# Altium PCB Cubli.PcbDoc (part 1 of 5) (continued)
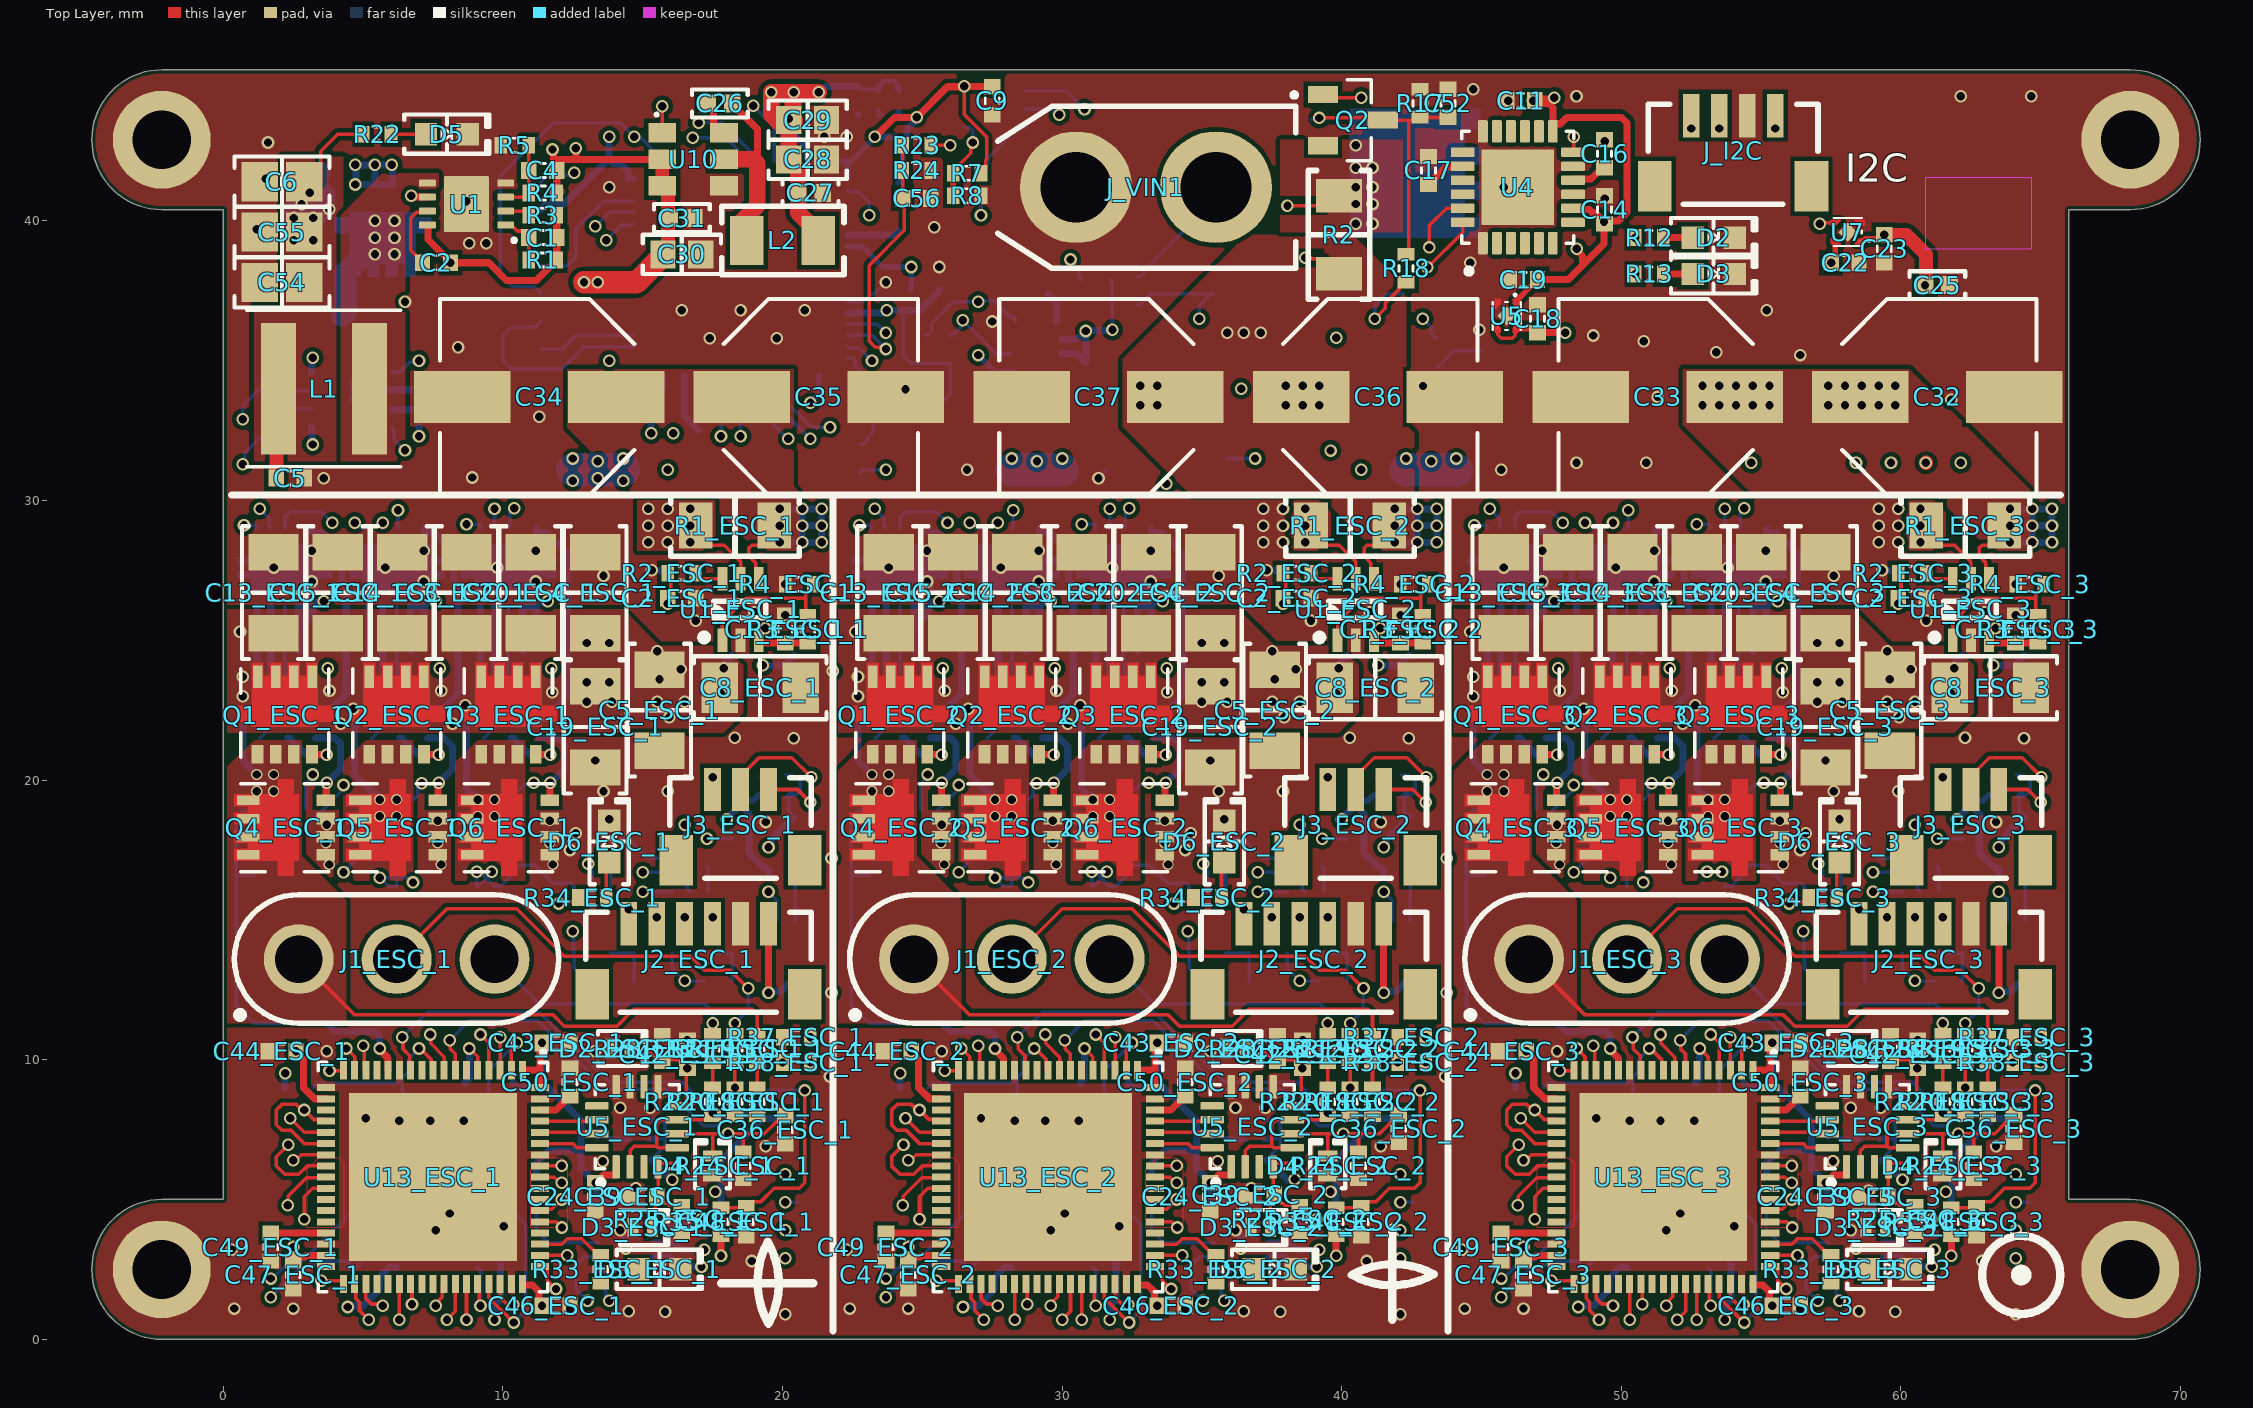
[diagram p0: Top Layer view]
## Components (designator, comment, footprint, x,y, rotation, side; value= is the part's Value field where it differs from the comment) (continued)
C16_ESC_2 "10 µF" "CAP 1206_3216 - 0.8MM" 37.9,21.1 r90 bottom (schematic designator C16_ESC)
C16_ESC_3 "10 µF" "CAP 1206_3216 - 0.8MM" 59.9,21.1 r90 bottom (schematic designator C16_ESC)
C17 "2200pF" CAP_0402 43.1,41.8 r90 top
C17_ESC_1 "10 µF" "CAP 1206_3216 - 0.8MM" 13.6,25.9 r270 bottom (schematic designator C17_ESC)
C17_ESC_2 "10 µF" "CAP 1206_3216 - 0.8MM" 35.6,25.9 r270 bottom (schematic designator C17_ESC)
C17_ESC_3 "10 µF" "CAP 1206_3216 - 0.8MM" 57.6,25.9 r270 bottom (schematic designator C17_ESC)
C18 "0.1uF" CAP_0402 47,36.5 r270 top
C18_ESC_1 "10 µF" "CAP 1206_3216 - 0.8MM" 13.6,21.1 r90 bottom (schematic designator C18_ESC)
C18_ESC_2 "10 µF" "CAP 1206_3216 - 0.8MM" 35.6,21.1 r90 bottom (schematic designator C18_ESC)
C18_ESC_3 "10 µF" "CAP 1206_3216 - 0.8MM" 57.6,21.1 r90 bottom (schematic designator C18_ESC)
C19 "0.1uF" CAP_0402 46.5,37.9 r0 top
C19_ESC_1 "10 µF" "CAP 1206_3216 - 0.8MM" 13.3,21.9 r90 top (schematic designator C19_ESC)
C19_ESC_2 "10 µF" "CAP 1206_3216 - 0.8MM" 35.3,21.9 r90 top (schematic designator C19_ESC)
C19_ESC_3 "10 µF" "CAP 1206_3216 - 0.8MM" 57.3,21.9 r90 top (schematic designator C19_ESC)
C20 "0.1uF" CAP_0402 22.7,44.3 r90 bottom
C20_ESC_1 "10 µF" "CAP 1206_3216 - 0.8MM" 11,26.7 r270 top (schematic designator C20_ESC)
C20_ESC_2 "10 µF" "CAP 1206_3216 - 0.8MM" 33,26.7 r270 top (schematic designator C20_ESC)
C20_ESC_3 "10 µF" "CAP 1206_3216 - 0.8MM" 55,26.7 r270 top (schematic designator C20_ESC)
C21 "0.1uF" CAP_0402 24.9,44.2 r270 bottom
C21_ESC_1 "0.1uF" CAP_0402 19.9,18.7 r0 bottom (schematic designator C21_ESC)
C21_ESC_2 "0.1uF" CAP_0402 41.9,18.7 r0 bottom (schematic designator C21_ESC)
C21_ESC_3 "0.1uF" CAP_0402 63.9,18.7 r0 bottom (schematic designator C21_ESC)
C22 "0.1uF" CAP_0402 58,38.5 r180 top
C22_ESC_1 "0.1uF" CAP_0402 18.5,19.6 r270 bottom (schematic designator C22_ESC)
C22_ESC_2 "0.1uF" CAP_0402 40.5,19.6 r270 bottom (schematic designator C22_ESC)
C22_ESC_3 "0.1uF" CAP_0402 62.5,19.6 r270 bottom (schematic designator C22_ESC)
C23 "0.1uF" CAP_0402 59.4,39 r90 top
C23_ESC_1 "0.1uF" CAP_0402 6.9,9.35 r180 bottom (schematic designator C23_ESC)
C23_ESC_2 "0.1uF" CAP_0402 28.9,9.35 r180 bottom (schematic designator C23_ESC)
C23_ESC_3 "0.1uF" CAP_0402 50.9,9.35 r180 bottom (schematic designator C23_ESC)
C24 "0.1uF" CAP_0402 7,33.6 r90 bottom
C24_ESC_1 "0.1uF" CAP_0402 13.3,5.1 r90 top (schematic designator C24_ESC)
C24_ESC_2 "0.1uF" CAP_0402 35.3,5.1 r90 top (schematic designator C24_ESC)
C24_ESC_3 "0.1uF" CAP_0402 57.3,5.1 r90 top (schematic designator C24_ESC)
C25 "1 µF" "CAP 0402_1005" 61.3,37.7 r0 top
C25_ESC_1 "0.1uF" CAP_0402 1.6,16.6 r180 bottom (schematic designator C25_ESC)
C25_ESC_2 "0.1uF" CAP_0402 23.6,16.6 r180 bottom (schematic designator C25_ESC)
C25_ESC_3 "0.1uF" CAP_0402 45.6,16.6 r180 bottom (schematic designator C25_ESC)
C26 "1 µF" "CAP 0402_1005" 17.76,44.2 r0 top
C26_ESC_1 "0.1uF" CAP_0402 10.038,3.538 r90 bottom (schematic designator C26_ESC)
C26_ESC_2 "0.1uF" CAP_0402 32.037,3.538 r90 bottom (schematic designator C26_ESC)
C26_ESC_3 "0.1uF" CAP_0402 54.037,3.538 r90 bottom (schematic designator C26_ESC)
C27 "1 µF" "CAP 0402_1005" 21,41 r180 top
C27_ESC_1 "0.1uF" CAP_0402 1.3,22 r270 bottom (schematic designator C27_ESC)
C27_ESC_2 "0.1uF" CAP_0402 23.3,22 r270 bottom (schematic designator C27_ESC)
C27_ESC_3 "0.1uF" CAP_0402 45.3,22 r270 bottom (schematic designator C27_ESC)
C28 "22 µF" "CAP 0603_1608" 20.9,42.2 r180 top
C28_ESC_1 "1uF" CAP_0402 3.2,25.4 r0 bottom (schematic designator C28_ESC)
C28_ESC_2 "1uF" CAP_0402 25.2,25.4 r0 bottom (schematic designator C28_ESC)
C28_ESC_3 "1uF" CAP_0402 47.2,25.4 r0 bottom (schematic designator C28_ESC)
C29 "22 µF" "CAP 0603_1608" 20.9,43.6 r180 top
C29_ESC_1 "0.1uF" CAP_0402 3.2,24.6 r0 bottom (schematic designator C29_ESC)
C29_ESC_2 "0.1uF" CAP_0402 25.2,24.6 r0 bottom (schematic designator C29_ESC)
C29_ESC_3 "0.1uF" CAP_0402 47.2,24.6 r0 bottom (schematic designator C29_ESC)
C30 "22 µF" "CAP 0603_1608" 16.4,38.8 r180 top
C30_ESC_1 "10nF" CAP_0402 5.3,22 r270 bottom (schematic designator C30_ESC)
C30_ESC_2 "10nF" CAP_0402 27.3,22 r270 bottom (schematic designator C30_ESC)
C30_ESC_3 "10nF" CAP_0402 49.3,22 r270 bottom (schematic designator C30_ESC)
C31 "0.1 µF" "CAP 0402_1005" 16.4,40.1 r180 top
C31_ESC_1 "1uF" CAP_0402 7.2,24.6 r0 bottom (schematic designator C31_ESC)
C31_ESC_2 "1uF" CAP_0402 29.2,24.6 r0 bottom (schematic designator C31_ESC)
C31_ESC_3 "1uF" CAP_0402 51.2,24.6 r0 bottom (schematic designator C31_ESC)
C32 "UWZ1V101MCL1GS" UWZ1V101MCL1GS 61.3,33.7 r0 top value=100µF
C32_ESC_1 "0.1uF" CAP_0402 7.2,25.4 r0 bottom (schematic designator C32_ESC)
C32_ESC_2 "0.1uF" CAP_0402 29.2,25.4 r0 bottom (schematic designator C32_ESC)
C32_ESC_3 "0.1uF" CAP_0402 51.2,25.4 r0 bottom (schematic designator C32_ESC)
C33 "UWZ1V101MCL1GS" UWZ1V101MCL1GS 51.3,33.7 r180 top value=100µF
C33_ESC_1 "10nF" CAP_0402 9.3,22 r270 bottom (schematic designator C33_ESC)
C33_ESC_2 "10nF" CAP_0402 31.3,22 r270 bottom (schematic designator C33_ESC)
C33_ESC_3 "10nF" CAP_0402 53.3,22 r270 bottom (schematic designator C33_ESC)
C34 "UWZ1V101MCL1GS" UWZ1V101MCL1GS 11.3,33.7 r180 top value=100µF
C34_ESC_1 "1uF" CAP_0402 11.2,24.6 r0 bottom (schematic designator C34_ESC)
C34_ESC_2 "1uF" CAP_0402 33.2,24.6 r0 bottom (schematic designator C34_ESC)
C34_ESC_3 "1uF" CAP_0402 55.2,24.6 r0 bottom (schematic designator C34_ESC)
C35 "UWZ1V101MCL1GS" UWZ1V101MCL1GS 21.3,33.7 r0 top value=100µF
C35_ESC_1 "0.1uF" CAP_0402 11.2,25.4 r0 bottom (schematic designator C35_ESC)
C35_ESC_2 "0.1uF" CAP_0402 33.2,25.4 r0 bottom (schematic designator C35_ESC)
C35_ESC_3 "0.1uF" CAP_0402 55.2,25.4 r0 bottom (schematic designator C35_ESC)
C36 "UWZ1V101MCL1GS" UWZ1V101MCL1GS 41.3,33.7 r0 top value=100µF
C36_ESC_1 "10nF" CAP_0402 20.1,7.5 r90 top (schematic designator C36_ESC)
C36_ESC_2 "10nF" CAP_0402 42.037,7.538 r90 top (schematic designator C36_ESC)
C36_ESC_3 "10nF" CAP_0402 64.037,7.538 r90 top (schematic designator C36_ESC)
C37 "UWZ1V101MCL1GS" UWZ1V101MCL1GS 31.3,33.7 r180 top value=100µF
C37_ESC_1 "0.1uF" CAP_0402 16,12.8 r180 bottom (schematic designator C37_ESC)
C37_ESC_2 "0.1uF" CAP_0402 38,12.8 r180 bottom (schematic designator C37_ESC)
C37_ESC_3 "0.1uF" CAP_0402 60,12.8 r180 bottom (schematic designator C37_ESC)
C38 "0.1uF" CAP_0402 24.8,42.7 r180 bottom
C38_ESC_1 "0.1uF" CAP_0402 12.5,12.8 r180 bottom (schematic designator C38_ESC)
C38_ESC_2 "0.1uF" CAP_0402 34.5,12.8 r180 bottom (schematic designator C38_ESC)
C38_ESC_3 "0.1uF" CAP_0402 56.5,12.8 r180 bottom (schematic designator C38_ESC)
C39 "0.1uF" CAP_0402 22.8,43 r0 bottom
C39_ESC_1 "10nF" CAP_0402 15,5.1 r0 top (schematic designator C39_ESC)
C39_ESC_2 "10nF" CAP_0402 37.088,5.163 r0 top (schematic designator C39_ESC)
C39_ESC_3 "10nF" CAP_0402 59.025,5.1 r0 top (schematic designator C39_ESC)
C40 "0.1uF" CAP_0402 23.7,37.3 r270 bottom
C40_ESC_1 "10nF" CAP_0402 18.2,17.4 r270 bottom (schematic designator C40_ESC)
C40_ESC_2 "10nF" CAP_0402 40.2,17.4 r270 bottom (schematic designator C40_ESC)
C40_ESC_3 "10nF" CAP_0402 62.2,17.4 r270 bottom (schematic designator C40_ESC)
C41 "0.1uF" CAP_0402 13.8,41.7 r90 bottom
C41_ESC_1 "10nF" CAP_0402 15.1,17.8 r0 bottom (schematic designator C41_ESC)
C41_ESC_2 "10nF" CAP_0402 37.1,17.8 r0 bottom (schematic designator C41_ESC)
C41_ESC_3 "10nF" CAP_0402 59.1,17.8 r0 bottom (schematic designator C41_ESC)
C42 "0.1uF" CAP_0402 14.8,33.5 r0 bottom
C42_ESC_1 "10nF" CAP_0402 16.6,10.2 r270 top (schematic designator C42_ESC)
C42_ESC_2 "10nF" CAP_0402 38.6,10.2 r270 top (schematic designator C42_ESC)
C42_ESC_3 "10nF" CAP_0402 60.6,10.2 r270 top (schematic designator C42_ESC)
C43 "0.1uF" CAP_0402 25.1,38.35 r0 bottom
C43_ESC_1 "0.1uF" CAP_0402 11.9,10.6 r180 top (schematic designator C43_ESC)
C43_ESC_2 "0.1uF" CAP_0402 33.9,10.6 r180 top (schematic designator C43_ESC)
C43_ESC_3 "0.1uF" CAP_0402 55.9,10.6 r180 top (schematic designator C43_ESC)
C44 "0.1uF" CAP_0402 16.5,32.5 r0 bottom
C44_ESC_1 "0.1uF" CAP_0402 2.1,10.3 r0 top (schematic designator C44_ESC)
C44_ESC_2 "0.1uF" CAP_0402 24.1,10.3 r0 top (schematic designator C44_ESC)
C44_ESC_3 "0.1uF" CAP_0402 46.1,10.3 r0 top (schematic designator C44_ESC)
C45 "0.1uF" CAP_0402 21,43 r180 bottom
C45_ESC_1 "0.1uF" CAP_0402 3.7,10.8 r90 bottom (schematic designator C45_ESC)
C45_ESC_2 "0.1uF" CAP_0402 25.7,10.8 r90 bottom (schematic designator C45_ESC)
C45_ESC_3 "0.1uF" CAP_0402 47.7,10.8 r90 bottom (schematic designator C45_ESC)
C46 "0.1uF" CAP_0402 21.5,33.5 r180 bottom
C46_ESC_1 "0.1uF" CAP_0402 11.9,1.2 r180 top (schematic designator C46_ESC)
C46_ESC_2 "0.1uF" CAP_0402 33.9,1.2 r180 top (schematic designator C46_ESC)
C46_ESC_3 "0.1uF" CAP_0402 55.9,1.2 r180 top (schematic designator C46_ESC)
C47 "22 µF" "CAP 0805_2012" 27.4,31.1 r0 bottom
C47_ESC_1 "0.1uF" CAP_0402 2.5,2.3 r90 top (schematic designator C47_ESC)
C47_ESC_2 "0.1uF" CAP_0402 24.5,2.3 r90 top (schematic designator C47_ESC)
C47_ESC_3 "0.1uF" CAP_0402 46.5,2.3 r90 top (schematic designator C47_ESC)
C48 "22 µF" "CAP 0805_2012" 11.7,31.1 r0 bottom
C48_ESC_1 "0.1uF" CAP_0402 18.7,4.2 r270 top (schematic designator C48_ESC)
C48_ESC_2 "0.1uF" CAP_0402 40.7,4.2 r270 top (schematic designator C48_ESC)
C48_ESC_3 "0.1uF" CAP_0402 62.7,4.2 r270 top (schematic designator C48_ESC)
C49 "22 µF" "CAP 0805_2012" 44.9,31.1 r180 bottom
C49_ESC_1 "0.1uF" CAP_0402 1.7,3.3 r90 top (schematic designator C49_ESC)
C49_ESC_2 "0.1uF" CAP_0402 23.7,3.3 r90 top (schematic designator C49_ESC)
C49_ESC_3 "0.1uF" CAP_0402 45.7,3.3 r90 top (schematic designator C49_ESC)
C50 "22 µF" "CAP 0805_2012" 30.8,31.1 r180 bottom
C50_ESC_1 "0.1uF" CAP_0402 12.4,9.2 r270 top (schematic designator C50_ESC)
C50_ESC_2 "0.1uF" CAP_0402 34.4,9.2 r270 top (schematic designator C50_ESC)
C50_ESC_3 "0.1uF" CAP_0402 56.4,9.2 r270 top (schematic designator C50_ESC)
C51 "22 µF" "CAP 0805_2012" 15.1,31.1 r180 bottom
C51_ESC_1 "0.1uF" CAP_0402 11.6,8.5 r90 bottom (schematic designator C51_ESC)
C51_ESC_2 "0.1uF" CAP_0402 33.6,8.5 r90 bottom (schematic designator C51_ESC)
C51_ESC_3 "0.1uF" CAP_0402 55.6,8.5 r90 bottom (schematic designator C51_ESC)
C52 "0.1uF" CAP_0402 43.8,44.2 r90 top
C52_ESC_1 "0.1uF" CAP_0402 14.7,4.9 r180 bottom (schematic designator C52_ESC)
C52_ESC_2 "0.1uF" CAP_0402 36.7,4.9 r180 bottom (schematic designator C52_ESC)
C52_ESC_3 "0.1uF" CAP_0402 58.73,4.9 r180 bottom (schematic designator C52_ESC)
C53 "0.1uF" CAP_0402 23.9,33.9 r0 bottom
C53_ESC_1 "0.1uF" CAP_0402 16.3,4.5 r90 bottom (schematic designator C53_ESC)
C53_ESC_2 "0.1uF" CAP_0402 38.374,4.574 r90 bottom (schematic designator C53_ESC)
C53_ESC_3 "0.1uF" CAP_0402 60.3,4.5 r90 bottom (schematic designator C53_ESC)
C54 "22 µF" "CAP 0805_2012" 2.1,37.8 r0 top
C55 "22 µF" "CAP 0805_2012" 2.1,39.6 r0 top
C56 "0.1uF" CAP_0402 24.8,40.8 r0 top
D1 "SE10FGHM3/H" "SMF DO-219AB" 2.8,36.6 r0 bottom
D1_ESC_1 "TVN3V3B1S-DFN1006-2LDG" 0402 5.4,8.8 r90 bottom (schematic designator D1_ESC)
D1_ESC_2 "TVN3V3B1S-DFN1006-2LDG" 0402 27.4,8.8 r90 bottom (schematic designator D1_ESC)
D1_ESC_3 "TVN3V3B1S-DFN1006-2LDG" 0402 49.4,8.8 r90 bottom (schematic designator D1_ESC)
D2 "Green" "LED 0603_1608 GREEN" 53.3,39.4 r0 top
D2_ESC_1 "TVN3V3B1S-DFN1006-2LDG" 0402 14.2,10.4 r0 top (schematic designator D2_ESC)
D2_ESC_2 "TVN3V3B1S-DFN1006-2LDG" 0402 36.2,10.4 r0 top (schematic designator D2_ESC)
D2_ESC_3 "TVN3V3B1S-DFN1006-2LDG" 0402 58.2,10.4 r0 top (schematic designator D2_ESC)
D3 "Green" "LED 0603_1608 GREEN" 53.3,38.1 r0 top
D3_ESC_1 "TVN3V3B1S-DFN1006-2LDG" 0402 15,4 r0 top (schematic designator D3_ESC)
D3_ESC_2 "TVN3V3B1S-DFN1006-2LDG" 0402 37.1,4 r0 top (schematic designator D3_ESC)
D3_ESC_3 "TVN3V3B1S-DFN1006-2LDG" 0402 59.1,4 r0 top (schematic designator D3_ESC)
D4 "Green" "LED 0603_1608 GREEN" 45,34.6 r270 bottom
D4_ESC_1 "TVN3V3B1S-DFN1006-2LDG" 0402 17.5,6.2 r90 top (schematic designator D4_ESC)
D4_ESC_2 "TVN3V3B1S-DFN1006-2LDG" 0402 39.5,6.2 r90 top (schematic designator D4_ESC)
D4_ESC_3 "TVN3V3B1S-DFN1006-2LDG" 0402 61.5,6.2 r90 top (schematic designator D4_ESC)
D5 "Green" "LED 0603_1608 GREEN" 8,43.1 r0 top
D5_ESC_1 "Green" "LED 0603_1608 GREEN" 15.6,2.5 r0 top (schematic designator D5_ESC)
D5_ESC_2 "Green" "LED 0603_1608 GREEN" 37.6,2.5 r0 top (schematic designator D5_ESC)
D5_ESC_3 "Green" "LED 0603_1608 GREEN" 59.6,2.5 r0 top (schematic designator D5_ESC)
D6_ESC_1 "Green" "LED 0603_1608 GREEN" 13.8,17.8 r90 top (schematic designator D6_ESC)
D6_ESC_2 "Green" "LED 0603_1608 GREEN" 35.8,17.8 r90 top (schematic designator D6_ESC)
D6_ESC_3 "Green" "LED 0603_1608 GREEN" 57.8,17.8 r90 top (schematic designator D6_ESC)
J1 "BM07B-SRSS-TB(LF)(SN)" "JST BM07B-SRSS-TB" 10.1,38.4 r270 bottom
J1_ESC_1 "MR30PB-FB" MR30PB-F 6.2,13.6 r0 top (schematic designator J1_ESC)
J1_ESC_2 "MR30PB-FB" MR30PB-F 28.2,13.6 r0 top (schematic designator J1_ESC)
J1_ESC_3 "MR30PB-FB" MR30PB-F 50.2,13.6 r0 top (schematic designator J1_ESC)
J2_ESC_1 "BM06B-SRSS-TB(LF)(SN)" "JST BM06B-SRSS-TB" 17,13.6 r180 top (schematic designator J2_ESC)
J2_ESC_2 "BM06B-SRSS-TB(LF)(SN)" "JST BM06B-SRSS-TB" 39,13.6 r180 top (schematic designator J2_ESC)
J2_ESC_3 "BM06B-SRSS-TB(LF)(SN)" "JST BM06B-SRSS-TB" 61,13.6 r180 top (schematic designator J2_ESC)
J3_ESC_1 "BM03B-SRSS-TB(LF)(SN)" "JST BM03B-SRSS-TB" 18.5,18.4 r180 top (schematic designator J3_ESC)
J3_ESC_2 "BM03B-SRSS-TB(LF)(SN)" "JST BM03B-SRSS-TB" 40.5,18.4 r180 top (schematic designator J3_ESC)
J3_ESC_3 "BM03B-SRSS-TB(LF)(SN)" "JST BM03B-SRSS-TB" 62.5,18.4 r180 top (schematic designator J3_ESC)
J4_ESC_1 "BM07B-SRSS-TB(LF)(SN)" "JST BM07B-SRSS-TB" 19.3,5.9 r270 bottom (schematic designator J4_ESC)
J4_ESC_2 "BM07B-SRSS-TB(LF)(SN)" "JST BM07B-SRSS-TB" 41.3,5.9 r270 bottom (schematic designator J4_ESC)
J4_ESC_3 "BM07B-SRSS-TB(LF)(SN)" "JST BM07B-SRSS-TB" 63.3,5.9 r270 bottom (schematic designator J4_ESC)
J_I2C "BM04B-SRSS-TB(LF)(SN)" "JST BM04B-SRSS-TB" 54,42.5 r180 top
J_VIN1 "XT30" XT30 33,41.2 r180 top
L1 "MPL-AL5050-5R6" MPL-AL5050-5R6 3.6,34 r180 top
L2 "4.7µH" "IND 1008_2520" 20,39.3 r0 top
Q1 "NVTFS5C680NL" NVTFS015N04CTAG 5.7,39.8 r270 bottom
Q1_ESC_1 "NVTFS5C680NL" NVTFS015N04CTAG 2.2,22.4 r90 top (schematic designator Q1_ESC)
Q1_ESC_2 "NVTFS5C680NL" NVTFS015N04CTAG 24.2,22.4 r90 top (schematic designator Q1_ESC)
Q1_ESC_3 "NVTFS5C680NL" NVTFS015N04CTAG 46.2,22.4 r90 top (schematic designator Q1_ESC)
Q2 "DMN61D9UWQ-7" DMN61D9UWQ-7 40.4,43.6 r0 top
Q2_ESC_1 "NVTFS5C680NL" NVTFS015N04CTAG 6.2,22.4 r90 top (schematic designator Q2_ESC)
Q2_ESC_2 "NVTFS5C680NL" NVTFS015N04CTAG 28.2,22.4 r90 top (schematic designator Q2_ESC)
Q2_ESC_3 "NVTFS5C680NL" NVTFS015N04CTAG 50.2,22.4 r90 top (schematic designator Q2_ESC)
Q3 "STL220N6F7" STL220N6F7 42.4,41.7 r90 bottom
Q3_ESC_1 "NVTFS5C680NL" NVTFS015N04CTAG 10.2,22.4 r90 top (schematic designator Q3_ESC)
Q3_ESC_2 "NVTFS5C680NL" NVTFS015N04CTAG 32.2,22.4 r90 top (schematic designator Q3_ESC)
Q3_ESC_3 "NVTFS5C680NL" NVTFS015N04CTAG 54.2,22.4 r90 top (schematic designator Q3_ESC)
Q4 "DMN61D9UWQ-7" DMN61D9UWQ-7 34.8,30.6 r180 bottom
Q4_ESC_1 "NVTFS5C680NL" NVTFS015N04CTAG 2.2,18.3 r180 top (schematic designator Q4_ESC)
Q4_ESC_2 "NVTFS5C680NL" NVTFS015N04CTAG 24.2,18.3 r180 top (schematic designator Q4_ESC)
Q4_ESC_3 "NVTFS5C680NL" NVTFS015N04CTAG 46.2,18.3 r180 top (schematic designator Q4_ESC)
Q5_ESC_1 "NVTFS5C680NL" NVTFS015N04CTAG 6.2,18.3 r180 top (schematic designator Q5_ESC)
Q5_ESC_2 "NVTFS5C680NL" NVTFS015N04CTAG 28.2,18.3 r180 top (schematic designator Q5_ESC)
Q5_ESC_3 "NVTFS5C680NL" NVTFS015N04CTAG 50.2,18.3 r180 top (schematic designator Q5_ESC)
Q6_ESC_1 "NVTFS5C680NL" NVTFS015N04CTAG 10.2,18.3 r180 top (schematic designator Q6_ESC)
Q6_ESC_2 "NVTFS5C680NL" NVTFS015N04CTAG 32.2,18.3 r180 top (schematic designator Q6_ESC)
Q6_ESC_3 "NVTFS5C680NL" NVTFS015N04CTAG 54.2,18.3 r180 top (schematic designator Q6_ESC)
R1 "10k" RES_0402 11.425,38.6 r180 top
R1_ESC_1 "10 mOhms" "RES 1206_3216" 18.3,29.1 r180 top value="39 mOhms" (schematic designator R1_ESC)
R1_ESC_2 "10 mOhms" "RES 1206_3216" 40.3,29.1 r180 top value="39 mOhms" (schematic designator R1_ESC)
R1_ESC_3 "10 mOhms" "RES 1206_3216" 62.3,29.1 r180 top value="39 mOhms" (schematic designator R1_ESC)
R2 "10 mOhms" "RES 1206_3216" 39.9,39.5 r270 top value="39 mOhms"
R2_ESC_1 "10k" RES_0402 16.4,27.4 r0 top (schematic designator R2_ESC)
R2_ESC_2 "10k" RES_0402 38.4,27.4 r0 top (schematic designator R2_ESC)
R2_ESC_3 "10k" RES_0402 60.4,27.4 r0 top (schematic designator R2_ESC)
R3 "100k" RES_0402 11.425,40.2 r0 top
R3_ESC_1 "10k" RES_0402 20.9,25.4 r90 top (schematic designator R3_ESC)
R3_ESC_2 "10k" RES_0402 42.9,25.4 r90 top (schematic designator R3_ESC)
R3_ESC_3 "10k" RES_0402 64.9,25.4 r90 top (schematic designator R3_ESC)
R4 "42k" RES_0402 11.425,41 r180 top
R4_ESC_1 "4.7k" RES_0402 20.6,27 r180 top (schematic designator R4_ESC)
R4_ESC_2 "4.7k" RES_0402 42.6,27 r180 top (schematic designator R4_ESC)
R4_ESC_3 "4.7k" RES_0402 64.6,27 r180 top (schematic designator R4_ESC)
R5 "4.7k" RES_0402 10.425,42.7 r180 top
R5_ESC_1 "33k" RES_0402 2.7,9 r180 bottom (schematic designator R5_ESC)
R5_ESC_2 "33k" RES_0402 24.7,9 r180 bottom (schematic designator R5_ESC)
R5_ESC_3 "33k" RES_0402 46.7,9 r180 bottom (schematic designator R5_ESC)
R6 "10k" RES_0402 27.1,41.4 r90 bottom
R6_ESC_1 "4.7k" RES_0402 6.9,8.5 r0 bottom (schematic designator R6_ESC)
R6_ESC_2 "4.7k" RES_0402 28.9,8.5 r0 bottom (schematic designator R6_ESC)
R6_ESC_3 "4.7k" RES_0402 50.9,8.5 r0 bottom (schematic designator R6_ESC)
R7 "10k" RES_0402 26.6,41.7 r180 top
R7_ESC_1 "0R" RES_0402 20,16.7 r180 bottom (schematic designator R7_ESC)
R7_ESC_2 "0R" RES_0402 42,16.7 r180 bottom (schematic designator R7_ESC)
R7_ESC_3 "0R" RES_0402 64,16.7 r180 bottom (schematic designator R7_ESC)
R8 "4.7k" RES_0402 26.6,40.9 r0 top
R8_ESC_1 "0R" RES_0402 20,17.6 r180 bottom (schematic designator R8_ESC)
R8_ESC_2 "0R" RES_0402 42,17.6 r180 bottom (schematic designator R8_ESC)
R8_ESC_3 "0R" RES_0402 64,17.6 r180 bottom (schematic designator R8_ESC)
R9 "4.7k" RES_0402 26,35.4 r90 bottom
R9_ESC_1 "TFA0805R60R4F-T5" "0805 Resistor" 4.7,3.5 r90 bottom value=60.4 (schematic designator R9_ESC)
R9_ESC_2 "TFA0805R60R4F-T5" "0805 Resistor" 26.7,3.5 r90 bottom value=60.4 (schematic designator R9_ESC)
R9_ESC_3 "TFA0805R60R4F-T5" "0805 Resistor" 48.7,3.5 r90 bottom value=60.4 (schematic designator R9_ESC)
R10 "4.7k" RES_0402 25.1,35.4 r90 bottom
R10_ESC_1 "2R" RES_0402 2.3,22 r270 bottom (schematic designator R10_ESC)
R10_ESC_2 "2R" RES_0402 24.3,22 r270 bottom (schematic designator R10_ESC)
R10_ESC_3 "2R" RES_0402 46.3,22 r270 bottom (schematic designator R10_ESC)
R11 "TFA0805R60R4F-T5" "0805 Resistor" 1.9,33.6 r90 bottom value=60.4
R11_ESC_1 "2R" RES_0402 3.3,22 r270 bottom (schematic designator R11_ESC)
R11_ESC_2 "2R" RES_0402 25.3,22 r270 bottom (schematic designator R11_ESC)
R11_ESC_3 "2R" RES_0402 47.3,22 r270 bottom (schematic designator R11_ESC)
R12 "2k" RES_0402 51,39.4 r180 top
R12_ESC_1 "2R" RES_0402 6.3,22 r270 bottom (schematic designator R12_ESC)
R12_ESC_2 "2R" RES_0402 28.3,22 r270 bottom (schematic designator R12_ESC)
R12_ESC_3 "2R" RES_0402 50.3,22 r270 bottom (schematic designator R12_ESC)
R13 "1k" RES_0402 51,38.1 r180 top
R13_ESC_1 "10 mOhms" "RES 1206_3216" 6.2,17.6 r270 bottom value="39 mOhms" (schematic designator R13_ESC)
R13_ESC_2 "10 mOhms" "RES 1206_3216" 28.2,17.6 r270 bottom value="39 mOhms" (schematic designator R13_ESC)
R13_ESC_3 "10 mOhms" "RES 1206_3216" 50.2,17.6 r270 bottom value="39 mOhms" (schematic designator R13_ESC)
R14 "4.7k" RES_0402 25.1,37.55 r0 bottom
R14_ESC_1 "10 mOhms" "RES 1206_3216" 9.7,17.6 r270 bottom value="39 mOhms" (schematic designator R14_ESC)
R14_ESC_2 "10 mOhms" "RES 1206_3216" 31.7,17.6 r270 bottom value="39 mOhms" (schematic designator R14_ESC)
R14_ESC_3 "10 mOhms" "RES 1206_3216" 53.7,17.6 r270 bottom value="39 mOhms" (schematic designator R14_ESC)
R15 "4.7k" RES_0402 31.2,37.9 r180 bottom
R15_ESC_1 "2R" RES_0402 7.3,22 r270 bottom (schematic designator R15_ESC)
R15_ESC_2 "2R" RES_0402 29.3,22 r270 bottom (schematic designator R15_ESC)
R15_ESC_3 "2R" RES_0402 51.3,22 r270 bottom (schematic designator R15_ESC)
R16 "10k" RES_0402 32.7,37.5 r270 bottom
R16_ESC_1 "2R" RES_0402 10.3,22 r270 bottom (schematic designator R16_ESC)
R16_ESC_2 "2R" RES_0402 32.3,22 r270 bottom (schematic designator R16_ESC)
R16_ESC_3 "2R" RES_0402 54.3,22 r270 bottom (schematic designator R16_ESC)
R17 "100k" RES_0402 42.8,44.2 r90 top
R17_ESC_1 "2R" RES_0402 11.3,22 r270 bottom (schematic designator R17_ESC)
R17_ESC_2 "2R" RES_0402 33.3,22 r270 bottom (schematic designator R17_ESC)
R17_ESC_3 "2R" RES_0402 55.3,22 r270 bottom (schematic designator R17_ESC)
R18 "10k" RES_0402 42.3,38.3 r270 top
R18_ESC_1 "33k" RES_0402 19.1,8.5 r270 top (schematic designator R18_ESC)
R18_ESC_2 "33k" RES_0402 41.1,8.5 r270 top (schematic designator R18_ESC)
R18_ESC_3 "33k" RES_0402 63.1,8.5 r270 top (schematic designator R18_ESC)
R19 "100k" RES_0402 23.9,33 r180 bottom
R19_ESC_1 "33k" RES_0402 19.1,10.4 r270 top (schematic designator R19_ESC)
R19_ESC_2 "33k" RES_0402 41.1,10.4 r270 top (schematic designator R19_ESC)
R19_ESC_3 "33k" RES_0402 63.1,10.4 r270 top (schematic designator R19_ESC)
R20 "10k" RES_0402 22.8,31.5 r270 bottom
R20_ESC_1 "33k" RES_0402 18.3,8.5 r270 top (schematic designator R20_ESC)
R20_ESC_2 "33k" RES_0402 40.3,8.5 r270 top (schematic designator R20_ESC)
R20_ESC_3 "33k" RES_0402 62.3,8.5 r270 top (schematic designator R20_ESC)
R21 "2k" RES_0402 43.4,35.3 r90 bottom
R21_ESC_1 "33k" RES_0402 18.3,10.4 r270 top (schematic designator R21_ESC)
R21_ESC_2 "33k" RES_0402 40.3,10.4 r270 top (schematic designator R21_ESC)
R21_ESC_3 "33k" RES_0402 62.3,10.4 r270 top (schematic designator R21_ESC)
R22 "2k" RES_0402 5.5,43.1 r180 top
R22_ESC_1 "33k" RES_0402 17.5,8.5 r270 top (schematic designator R22_ESC)
R22_ESC_2 "33k" RES_0402 39.5,8.5 r270 top (schematic designator R22_ESC)
R22_ESC_3 "33k" RES_0402 61.5,8.5 r270 top (schematic designator R22_ESC)
R23 "33k" RES_0402 24.8,42.7 r180 top
R23_ESC_1 "33k" RES_0402 17.5,10.4 r270 top (schematic designator R23_ESC)
R23_ESC_2 "33k" RES_0402 39.5,10.4 r270 top (schematic designator R23_ESC)
R23_ESC_3 "33k" RES_0402 61.5,10.4 r270 top (schematic designator R23_ESC)
R24 "4.7k" RES_0402 24.8,41.8 r0 top
R24_ESC_1 "10k" RES_0402 18.6,6.2 r270 top (schematic designator R24_ESC)
R24_ESC_2 "10k" RES_0402 40.6,6.2 r270 top (schematic designator R24_ESC)
R24_ESC_3 "10k" RES_0402 62.6,6.2 r270 top (schematic designator R24_ESC)
R25_ESC_1 "10k" RES_0402 16.4,4.3 r270 top (schematic designator R25_ESC)
R25_ESC_2 "10k" RES_0402 38.5,4.3 r270 top (schematic designator R25_ESC)
R25_ESC_3 "10k" RES_0402 60.5,4.3 r270 top (schematic designator R25_ESC)
R26_ESC_1 "1k" RES_0402 17.3,17.4 r270 bottom (schematic designator R26_ESC)
R26_ESC_2 "1k" RES_0402 39.3,17.4 r270 bottom (schematic designator R26_ESC)
R26_ESC_3 "1k" RES_0402 61.3,17.4 r270 bottom (schematic designator R26_ESC)
R27_ESC_1 "1k" RES_0402 13.8,17.4 r270 bottom (schematic designator R27_ESC)
R27_ESC_2 "1k" RES_0402 35.8,17.4 r270 bottom (schematic designator R27_ESC)
R27_ESC_3 "1k" RES_0402 57.8,17.4 r270 bottom (schematic designator R27_ESC)
R28_ESC_1 "10k" RES_0402 15.7,10.4 r90 top (schematic designator R28_ESC)
R28_ESC_2 "10k" RES_0402 37.7,10.4 r90 top (schematic designator R28_ESC)
R28_ESC_3 "10k" RES_0402 59.625,10.4 r90 top (schematic designator R28_ESC)
R29_ESC_1 "10k" RES_0402 17.7,12.8 r0 bottom (schematic designator R29_ESC)
R29_ESC_2 "10k" RES_0402 39.7,12.8 r0 bottom (schematic designator R29_ESC)
R29_ESC_3 "10k" RES_0402 61.7,12.8 r0 bottom (schematic designator R29_ESC)
R30_ESC_1 "10k" RES_0402 14.2,12.8 r0 bottom (schematic designator R30_ESC)
R30_ESC_2 "10k" RES_0402 36.2,12.8 r0 bottom (schematic designator R30_ESC)
R30_ESC_3 "10k" RES_0402 58.2,12.8 r0 bottom (schematic designator R30_ESC)
R31_ESC_1 "10k" RES_0402 18.2,14.3 r90 bottom (schematic designator R31_ESC)
R31_ESC_2 "10k" RES_0402 40.2,14.3 r90 bottom (schematic designator R31_ESC)
R31_ESC_3 "10k" RES_0402 62.2,14.3 r90 bottom (schematic designator R31_ESC)
R32_ESC_1 "10k" RES_0402 14.7,14.3 r90 bottom (schematic designator R32_ESC)
R32_ESC_2 "10k" RES_0402 36.7,14.3 r90 bottom (schematic designator R32_ESC)
R32_ESC_3 "10k" RES_0402 58.7,14.3 r90 bottom (schematic designator R32_ESC)
R33_ESC_1 "2k" RES_0402 13.5,2.5 r90 top (schematic designator R33_ESC)
R33_ESC_2 "2k" RES_0402 35.5,2.5 r90 top (schematic designator R33_ESC)
R33_ESC_3 "2k" RES_0402 57.5,2.5 r90 top (schematic designator R33_ESC)
R34_ESC_1 "1k" RES_0402 13.2,15.8 r180 top (schematic designator R34_ESC)
R34_ESC_2 "1k" RES_0402 35.2,15.8 r180 top (schematic designator R34_ESC)
R34_ESC_3 "1k" RES_0402 57.2,15.8 r180 top (schematic designator R34_ESC)
R35_ESC_1 "4.7k" RES_0402 17.8,4.2 r270 top (schematic designator R35_ESC)
R35_ESC_2 "4.7k" RES_0402 39.8,4.2 r270 top (schematic designator R35_ESC)
R35_ESC_3 "4.7k" RES_0402 61.8,4.2 r270 top (schematic designator R35_ESC)
R36_ESC_1 "1k" RES_0402 11.2,5.3 r270 bottom (schematic designator R36_ESC)
R36_ESC_2 "1k" RES_0402 33.2,5.3 r270 bottom (schematic designator R36_ESC)
R36_ESC_3 "1k" RES_0402 55.2,5.3 r270 bottom (schematic designator R36_ESC)
R37_ESC_1 "1k" RES_0402 20.5,10.8 r0 top (schematic designator R37_ESC)
R37_ESC_2 "1k" RES_0402 42.5,10.8 r0 top (schematic designator R37_ESC)
R37_ESC_3 "1k" RES_0402 64.5,10.8 r0 top (schematic designator R37_ESC)
R38_ESC_1 "1k" RES_0402 20.5,9.9 r0 top (schematic designator R38_ESC)
R38_ESC_2 "1k" RES_0402 42.5,9.9 r0 top (schematic designator R38_ESC)
R38_ESC_3 "1k" RES_0402 64.5,9.9 r0 top (schematic designator R38_ESC)
S1 "EVQ-Q2Y03W" "PANASONIC EVQQ2" 38.8,35.4 r180 bottom
U1 "LM25085" 8-WSON_3x3_0.5mm 8.7,40.6 r180 top
U1_ESC_1 "INA185" "TI SC70-6 DCK" 18.5,26.1 r90 top (schematic designator U1_ESC)
U1_ESC_2 "INA185" "TI SC70-6 DCK" 40.5,26.1 r90 top (schematic designator U1_ESC)
U1_ESC_3 "INA185" "TI SC70-6 DCK" 62.5,26.1 r90 top (schematic designator U1_ESC)
U2 "INA185" "TI SC70-6 DCK" 27.6,44 r0 bottom
U2_ESC_1 "3.3V LDO" XDFN-4 14.9,7.5 r0 bottom (schematic designator U2_ESC)
U2_ESC_2 "3.3V LDO" XDFN-4 36.9,7.5 r0 bottom (schematic designator U2_ESC)
U2_ESC_3 "3.3V LDO" XDFN-4 58.9,7.5 r0 bottom (schematic designator U2_ESC)
U3 "LIS3MDL" LGA12_ST 29.05,35.5 r270 bottom
U3_ESC_1 "3.3V LDO" XDFN-4 19.8,19.8 r0 bottom (schematic designator U3_ESC)
U3_ESC_2 "3.3V LDO" XDFN-4 41.8,19.8 r0 bottom (schematic designator U3_ESC)
U3_ESC_3 "3.3V LDO" XDFN-4 63.8,19.8 r0 bottom (schematic designator U3_ESC)
U4 "MPU6050" IC_MPU6050 46.3,41.2 r90 top
U4_ESC_1 "TMP1075" 8-WSON_2x2_0.5mm 2,18.2 r180 bottom (schematic designator U4_ESC)
U4_ESC_2 "TMP1075" 8-WSON_2x2_0.5mm 24,18.2 r180 bottom (schematic designator U4_ESC)
U4_ESC_3 "TMP1075" 8-WSON_2x2_0.5mm 46,18.2 r180 bottom (schematic designator U4_ESC)
U5 "3.3V LDO" XDFN-4 45.9,36.6 r270 top
U5_ESC_1 "4x Comparator" QFN50P300X300X100-16N 14.8,7.6 r90 top (schematic designator U5_ESC)
U5_ESC_2 "4x Comparator" QFN50P300X300X100-16N 36.8,7.6 r90 top (schematic designator U5_ESC)
U5_ESC_3 "4x Comparator" QFN50P300X300X100-16N 58.8,7.6 r90 top (schematic designator U5_ESC)
U6 "3.3V LDO" XDFN-4 23.8,44.3 r90 bottom
U6_ESC_1 "TPS22810" 6-WSON_2x2_0.65mm 19.8,14 r90 bottom (schematic designator U6_ESC)
U6_ESC_2 "TPS22810" 6-WSON_2x2_0.65mm 41.8,14 r90 bottom (schematic designator U6_ESC)
U6_ESC_3 "TPS22810" 6-WSON_2x2_0.65mm 63.8,14 r90 bottom (schematic designator U6_ESC)
U7 "3.3V LDO" XDFN-4 58.1,39.6 r180 top
U7_ESC_1 "TJA1051TK/3/1J" TJA1044xxK 7.638,3.538 r180 bottom (schematic designator U7_ESC)
U7_ESC_2 "TJA1051TK/3/1J" TJA1044xxK 29.637,3.537 r180 bottom (schematic designator U7_ESC)
U7_ESC_3 "TJA1051TK/3/1J" TJA1044xxK 51.637,3.537 r180 bottom (schematic designator U7_ESC)
U8 "XB3-24Z8UM-J" XCVR_XB3-24Z8UM-J 56.3,37.9 r90 bottom
U8_ESC_1 "UCC27282" VSON-10 2.2,27.6 r90 bottom (schematic designator U8_ESC)
U8_ESC_2 "UCC27282" VSON-10 24.2,27.6 r90 bottom (schematic designator U8_ESC)
U8_ESC_3 "UCC27282" VSON-10 46.2,27.6 r90 bottom (schematic designator U8_ESC)
U9 "TJA1051TK/3/1J" TJA1044xxK 4.6,33.6 r180 bottom
U9_ESC_1 "UCC27282" VSON-10 6.2,27.6 r90 bottom (schematic designator U9_ESC)
U9_ESC_2 "UCC27282" VSON-10 28.2,27.6 r90 bottom (schematic designator U9_ESC)
U9_ESC_3 "UCC27282" VSON-10 50.2,27.6 r90 bottom (schematic designator U9_ESC)
U10 "5V Buck" "TSOT-26-6 - 3.2mm" 16.8,42.2 r90 top
U10_ESC_1 "UCC27282" VSON-10 10.2,27.6 r90 bottom (schematic designator U10_ESC)
U10_ESC_2 "UCC27282" VSON-10 32.2,27.6 r90 bottom (schematic designator U10_ESC)
U10_ESC_3 "UCC27282" VSON-10 54.2,27.6 r90 bottom (schematic designator U10_ESC)
U11 "STM32H573RIV" 68-VFQFPN 18.5,38.3 r180 bottom
U11_ESC_1 "INA185" "TI SC70-6 DCK" 16.7,14.9 r90 bottom (schematic designator U11_ESC)
U11_ESC_2 "INA185" "TI SC70-6 DCK" 38.7,14.9 r90 bottom (schematic designator U11_ESC)
U11_ESC_3 "INA185" "TI SC70-6 DCK" 60.7,14.9 r90 bottom (schematic designator U11_ESC)
U12_ESC_1 "INA185" "TI SC70-6 DCK" 13.2,14.9 r90 bottom (schematic designator U12_ESC)
U12_ESC_2 "INA185" "TI SC70-6 DCK" 35.2,14.9 r90 bottom (schematic designator U12_ESC)
U12_ESC_3 "INA185" "TI SC70-6 DCK" 57.2,14.9 r90 bottom (schematic designator U12_ESC)
U13_ESC_1 "STM32H573RIV" 68-VFQFPN 7.5,5.8 r270 top (schematic designator U13_ESC)
U13_ESC_2 "STM32H573RIV" 68-VFQFPN 29.5,5.8 r270 top (schematic designator U13_ESC)
U13_ESC_3 "STM32H573RIV" 68-VFQFPN 51.5,5.8 r270 top (schematic designator U13_ESC)
U14_ESC_1 "DRV8837CDSGR" SON50P200X200X80-9N 14.4,3.2 r180 bottom (schematic designator U14_ESC)
U14_ESC_2 "DRV8837CDSGR" SON50P200X200X80-9N 36.4,3.2 r180 bottom (schematic designator U14_ESC)
U14_ESC_3 "DRV8837CDSGR" SON50P200X200X80-9N 58.4,3.2 r180 bottom (schematic designator U14_ESC)
Y1 "27MHz" "ABRACON ASD" 24.8,40.5 r270 bottom
Y1_ESC_1 "27MHz" "ABRACON ASD" 9.5,8.5 r180 bottom (schematic designator Y1_ESC)
Y1_ESC_2 "27MHz" "ABRACON ASD" 31.5,8.5 r180 bottom (schematic designator Y1_ESC)
Y1_ESC_3 "27MHz" "ABRACON ASD" 53.5,8.5 r180 bottom (schematic designator Y1_ESC)

## Footprints (in the part's own frame and the unit in brackets; to place one, negate y for a bottom-side part, rotate by r counter-clockwise, add the part's x,y. Pads: shape width x height; smd on the part's side, far side on the other; paste and mask are expansions set on the pad)
6-WSON_2x2_0.65mm [mm]
  rrect25% 0.45x0.3 smd: 1(-0.975,0.65) 2(-0.975,0) 3(-0.975,-0.65) 4(0.975,-0.65) 5(0.975,0) 6(0.975,0.65)
  rrect5% 0.9x1.6 smd paste-2: 7(0,0)
  silkscreen extent -1.01,1.14 -0.89,1.26, body extent -1,-1 1,1, height 0.75
8-WSON_2x2_0.5mm [mm]
  rrect25% 0.5x0.25 smd: 1(-0.95,0.75) 2(-0.95,0.25) 3(-0.95,-0.25) 4(-0.95,-0.75) 5(0.95,-0.75) 6(0.95,-0.25) 7(0.95,0.25) 8(0.95,0.75)
  rrect5% 0.9x1.6 smd paste-2: 9(0,0)
  silkscreen extent -1.01,1.14 -0.89,1.26, body extent -1,-1 1,1, height 0.75
8-WSON_3x3_0.5mm [mm]
  rrect25% 0.6x0.25 smd: 1(-1.4,0.75) 2(-1.4,0.25) 3(-1.4,-0.25) 4(-1.4,-0.75) 5(1.4,-0.75) 6(1.4,-0.25) 7(1.4,0.25) 8(1.4,0.75)
  rrect5% 1.6x2 smd paste-2: 9(0,0)
  silkscreen extent -1.76,1.24 -1.64,1.36, body extent -1.5,-1.5 1.5,1.5, height 0.8
68-VFQFPN [mm]
  rect 0.65x0.25 smd: 1(-3.825,3.2) 2(-3.825,2.8) 3(-3.825,2.4) 4(-3.825,2) 5(-3.825,1.6) 6(-3.825,1.2) 7(-3.825,0.8) 8(-3.825,0.4) 9(-3.825,0) 10(-3.825,-0.4) 11(-3.825,-0.8) 12(-3.825,-1.2) 13(-3.825,-1.6) 14(-3.825,-2) 15(-3.825,-2.4) 16(-3.825,-2.8) 17(-3.825,-3.2) 35(3.825,-3.2) 36(3.825,-2.8) 37(3.825,-2.4) 38(3.825,-2) 39(3.825,-1.6) 40(3.825,-1.2) 41(3.825,-0.8) 42(3.825,-0.4) 43(3.825,0) 44(3.825,0.4) 45(3.825,0.8) 46(3.825,1.2) 47(3.825,1.6) 48(3.825,2) 49(3.825,2.4) 50(3.825,2.8) 51(3.825,3.2)
  rect 0.25x0.65 smd: 18(-3.2,-3.825) 19(-2.8,-3.825) 20(-2.4,-3.825) 21(-2,-3.825) 22(-1.6,-3.825) 23(-1.2,-3.825) 24(-0.8,-3.825) 25(-0.4,-3.825) 26(0,-3.825) 27(0.4,-3.825) 28(0.8,-3.825) 29(1.2,-3.825) 30(1.6,-3.825) 31(2,-3.825) 32(2.4,-3.825) 33(2.8,-3.825) 34(3.2,-3.825) 52(3.2,3.825) 53(2.8,3.825) 54(2.4,3.825) 55(2,3.825) 56(1.6,3.825) 57(1.2,3.825) 58(0.8,3.825) 59(0.4,3.825) 60(0,3.825) 61(-0.4,3.825) 62(-0.8,3.825) 63(-1.2,3.825) 64(-1.6,3.825) 65(-2,3.825) 66(-2.4,3.825) 67(-2.8,3.825) 68(-3.2,3.825)
  rect 6x6 smd: 69(0,0)
  silkscreen extent -4.5,-4.1 4.1,4.1, body extent -4.05,-4.05 4.05,4.05, height 1
0402 [mm] "SODFL, 2-Leads, Body 0.675x1.075mm, IPC Medium Density"
  rect 0.4x0.7 smd: 1(-0.35,0) 2(0.35,0)
  silkscreen extent -0.8,-0.63 0.92,0.63, body extent -0.51,-0.31 0.5,0.3, height 0.45
"0805 Resistor" [mm] "Chip Resistor, 2-Leads, Body 2.00x1.20mm, IPC Medium Density"
  rect 0.85x1.25 smd: 1(-0.975,0) 2(0.975,0)
  silkscreen extent -0.15,-0.53 0.15,0.53, body extent -1,-0.63 1,0.63, height 0.5
"ABRACON ASD" [mm] "Crystal, 4-Leads, Body 2.00x2.45mm, Pitch 1.65mm, IPC Medium Density"
  rect 0.9x0.8 smd: 1(-0.865,-0.665) 2(0.865,-0.665) 3(0.865,0.665) 4(-0.865,0.665)
  silkscreen extent -1.75,-1.55 1.6,1.4, body extent -1.27,-1.02 1.28,1.03, height 1
"CAP 0402_1005" [mm] "Chip Capacitor, 2-Leads, Body 1.02x0.51mm, IPC Medium Density"
  rect 0.6x0.64 smd: 1(-0.44,0) 2(0.44,0)
  silkscreen extent -1,-0.5 1,0.5, body extent -0.5,-0.26 0.5,0.26, height 0.52
"CAP 0603_1608" [mm] "Chip Capacitor, 2-Leads, Body 1.60x0.80mm, IPC Medium Density"
  rect 0.9x1 smd: 1(-0.675,0) 2(0.675,0)
  silkscreen extent -1.4,-0.7 1.4,0.7, body extent -0.8,-0.41 0.8,0.41, height 0.82
"CAP 0805_2012" [mm] "Chip Capacitor, 2-Leads, Body 2.00x1.20mm, IPC Medium Density"
  rect 1.3x1.4 smd: 1(-0.8,0) 2(0.8,0)
  silkscreen extent -1.7,-0.9 1.7,0.9, body extent -1,-0.64 1,0.64, height 1.26
"CAP 1206_3216 - 0.8MM" [mm] "Chip Capacitor, 2-Leads, Body 3.25x1.60mm, IPC Medium Density"
  rect 1.3x1.8 smd: 1(-1.45,0) 2(1.45,0)
  silkscreen extent -2.37,-1.12 2.37,1.12, body extent -1.6,-0.8 1.6,0.8, height 0.8
CAP_0402 [mm]
  rect 0.55x0.6 smd: 1(-0.5,0) 2(0.5,0)
  silkscreen extent -0.1,-0.25 0.1,0.25, body extent -0.5,-0.26 0.5,0.26, height 0.52
DMN61D9UWQ-7 [mm] "SC-70, SOT-323"
  rect 1.09x0.61 smd: 1(-1.07,0.915) 2(-1.07,-0.915) 3(1.07,0)
  silkscreen extent -2.17,-1.45 0.65,1.45, body extent -1.2,-1.45 1.2,1.45, height 1.14
IC_MPU6050 [mm]
  rrect25% 0.8x0.35 smd: 1(-2,1.25) 2(-2,0.75) 3(-2,0.25) 4(-2,-0.25) 5(-2,-0.75) 6(-2,-1.25) 13(2,-1.25) 14(2,-0.75) 15(2,-0.25) 16(2,0.25) 17(2,0.75) 18(2,1.25)
  rrect25% 0.35x0.85 smd: 7(-1.25,-1.975) 8(-0.75,-1.975) 9(-0.25,-1.975) 10(0.25,-1.975) 11(0.75,-1.975) 12(1.25,-1.975) 19(1.25,1.975) 20(0.75,1.975) 21(0.25,1.975) 22(-0.25,1.975) 23(-0.75,1.975) 24(-1.25,1.975)
  rect 2.7x2.6 smd paste-2: 25(0,0)
  silkscreen extent -3.1,-2 2,2, body extent -2,-2 2,2, height 0.93
"IND 1008_2520" [mm] "Chip Inductance, 2-leads, Body 2.5x2.1mm, IPC Medium Density"
  rect 1.2x1.75 smd: 1(-1.275,0) 2(1.275,0)
  silkscreen extent -2.18,-1.22 2.2,1.22, body extent -1.3,-1.05 1.3,1.05, height 1
"JST BM03B-SRSS-TB" [mm] "1.0mm pitch/Disconnectable Crimp style connector"
  rect 0.6x1.55 smd: 1(-1,-1.262) 2(0,-1.262) 3(1,-1.262)
  rect 1.2x1.8 smd: M(-2.3,1.262) M(2.3,1.262)
  silkscreen extent -2.53,-1.68 2.53,1.91, body extent -2.5,-1.69 2.5,1.91, height 4.32
"JST BM04B-SRSS-TB" [mm] "1.0mm pitch/Disconnectable Crimp style connector"
  rect 0.6x1.55 smd: 1(-1.5,-1.262) 2(-0.5,-1.262) 3(0.5,-1.262) 4(1.5,-1.262)
  rect 1.2x1.8 smd: M(-2.8,1.262) M(2.8,1.262)
  silkscreen extent -3.03,-1.68 3.03,1.91, body extent -3,-1.69 3,1.91, height 4.32
"JST BM06B-SRSS-TB" [mm] "1.0mm pitch/Disconnectable Crimp style connector"
  rect 0.6x1.55 smd: 1(-2.5,-1.262) 2(-1.5,-1.262) 3(-0.5,-1.262) 4(0.5,-1.262) 5(1.5,-1.262) 6(2.5,-1.262)
  rect 1.2x1.8 smd: M(-3.8,1.262) M(3.8,1.262)
  silkscreen extent -4.03,-1.68 4.03,1.91, body extent -4,-1.69 4,1.91, height 4.32
"JST BM07B-SRSS-TB" [mm] "1.0mm pitch/Disconnectable Crimp style connector"
  rect 0.6x1.55 smd: 1(-3,-1.262) 2(-2,-1.262) 3(-1,-1.262) 4(0,-1.262) 5(1,-1.262) 6(2,-1.262) 7(3,-1.262)
  rect 1.2x1.8 smd: M(-4.3,1.262) M(4.3,1.262)
  silkscreen extent -4.53,-1.68 4.53,1.91, body extent -4.5,-1.69 4.5,1.91, height 4.32